# Altium PCB batteryPack.PcbDoc (part 2 of 2)
Units mm, origin at the board's own origin, x right, y up, seen from the top; angles counter-clockwise.
Board outline 117 x 50 mm, 4 copper layers (Top Layer, Mid-Layer 1, Mid-Layer 2, Bottom Layer); 146 components, 107 nets, 522 pads, 401 vias.
Unrouted connection lines stored in the file: 2.
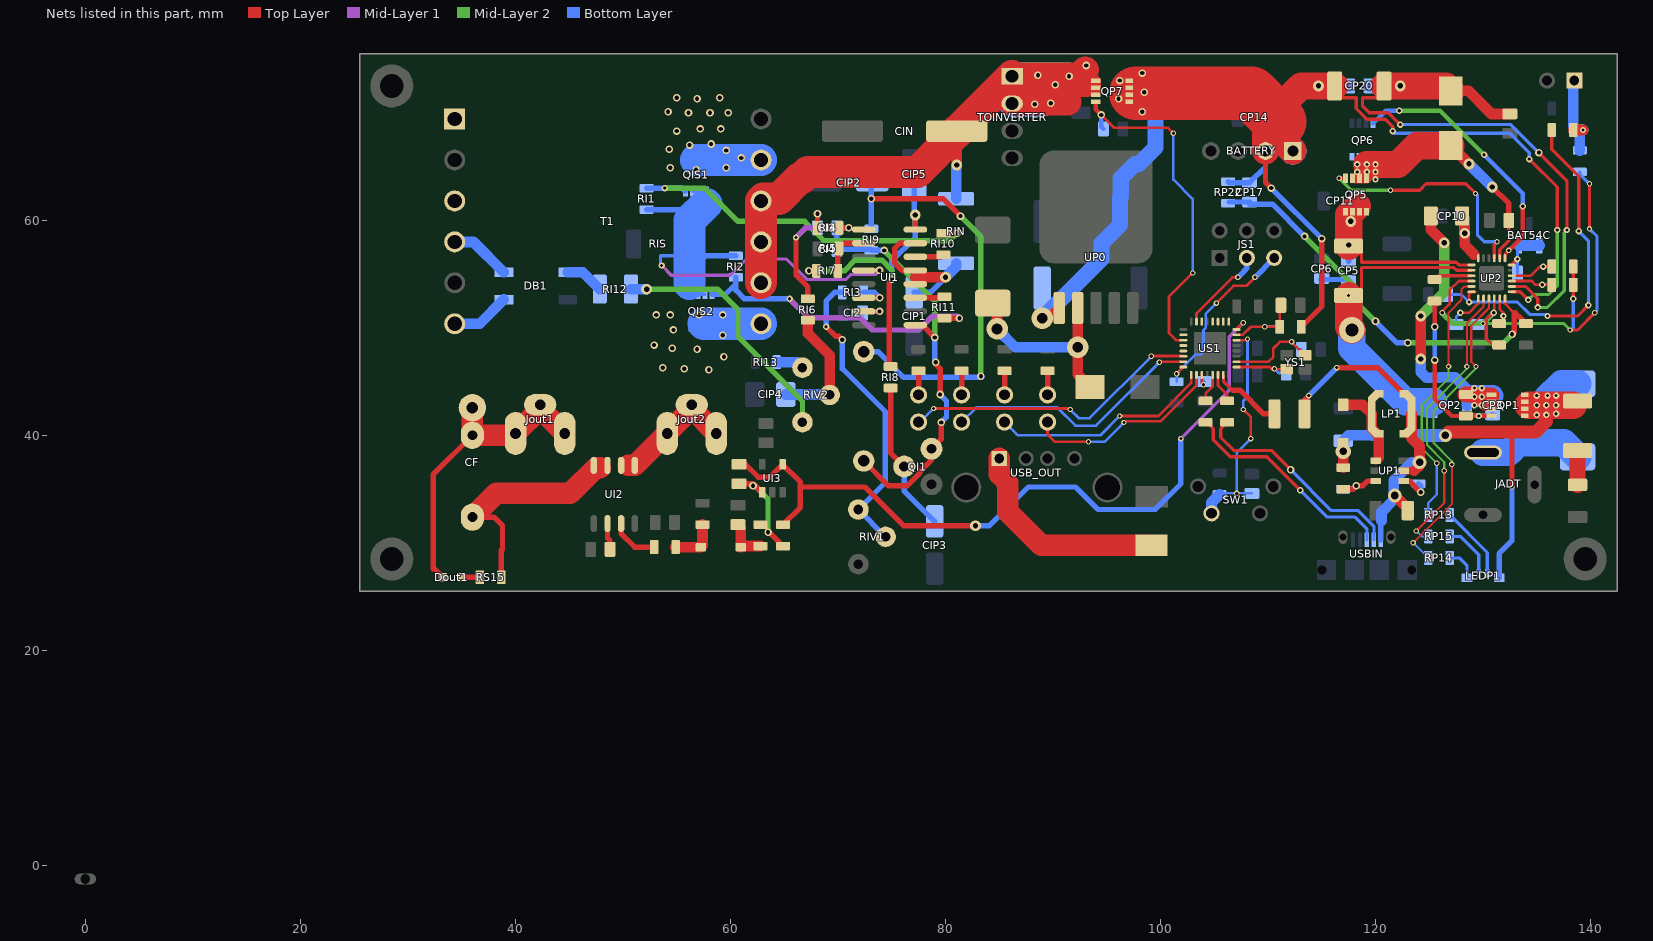
[diagram p4: the nets of this part, all layers, seen from the top]

## Via types
v1: diameter 0.6, hole 0.3, Top Layer to Bottom Layer, 119 vias
v2: diameter 0.7, hole 0.4, Top Layer to Bottom Layer, 115 vias
v3: diameter 0.5, hole 0.3, Top Layer to Bottom Layer, 58 vias
v4: diameter 0.8, hole 0.8, Top Layer to Bottom Layer, 47 vias
v5: diameter 1, hole 0.5, Top Layer to Bottom Layer, 30 vias
v6: diameter 0.4, hole 0.3, Top Layer to Bottom Layer, tented both sides, 9 vias
v7: diameter 2, hole 1, Top Layer to Bottom Layer, 5 vias
v8: diameter 1.27, hole 0.711, Top Layer to Bottom Layer, 5 vias
v9: diameter 1.5, hole 0.7, Top Layer to Bottom Layer, 4 vias
v10: diameter 0.4, hole 0.3, Top Layer to Bottom Layer, 4 vias
v11: diameter 3, hole 2, Top Layer to Bottom Layer, 1 vias
v12: diameter 2.5, hole 1.5, Top Layer to Bottom Layer, 1 vias
v13: diameter 2.4, hole 1.2, Top Layer to Bottom Layer, 1 vias
v14: diameter 1.2, hole 0.7, Top Layer to Bottom Layer, 1 vias
v15: diameter 1.4, hole 0.7, Top Layer to Bottom Layer, 1 vias

## Nets (pads, with @x,y where several pads share a name; then routed paths per layer and width w, separated by ;. In a path a pad name is that pad's centre, name@x,y a point inside that pad or via, vN(x,y) a via of type N, cw(c..) or ccw(c..) an arc to the next point about the centre after c; other vN are vias at no path point) (continued)
NetBAT54C_2: BAT54C.2 BAT54C.3 CP13.2 UP2.18 | length 5.3
  Top Layer w0.3: UP2.18@132.675,55.85 133.2,56.375 v1(133.2,56.4)
  Bottom Layer w0.3: CP13.2@133.2,55.1 v1(133.2,56.4) 133.2,57.5 BAT54C.2@133.35,57.65
  Bottom Layer w1: BAT54C.2@133.35,57.65 134,57.65 BAT54C.3@135.25,57.65
NetCF_1: CF.1 RS15.1 T1.1 UI2.3 UI2.4 | length 21.8
  Top Layer w0.5: CF.1@36,32.39 38.01,32.39 38.8,31.6 38.8,29.4 38.7,29.3 RS15.1@38.7,26.8
  Top Layer w2: CF.1@36,32.39 38.21,34.6 45.1,34.6 47.5,37 47.9,37
NetCF_2: CF.2 Dout1.2 Jout1.1 T1.3 | length 28.3
  Top Layer w0.5: Dout1.2@33.25,26.8 32.45,27.6 32.35,27.6 32.35,36.36 CF.2@36,40.01
  Top Layer w2: CF.2@36,42.575 CF.2@36,40.01 39.845,40.01 Jout1.1@40.014,40.179 42.3,42.465 Jout1.1@44.586,40.179
NetCI2_1: CI2.1 UI1.7 | length 3.1
  Top Layer w0.5: UI1.7@72.4,51.525 v2(73.875,51.525)
  Bottom Layer w0.5: CI2.1@72.3,51.4 72.425,51.525 v2(73.875,51.525)
NetCI3_1: CI3.1 CI4.1 DI1.1 QI1.3 RI9.2 UI1.9 | length 39.5
  Top Layer w0.5: DI1.1@72.4,37.62 74.72,35.3 76.433,35.3 77.626,36.493 77.626,36.626 78.7,37.7 QI1.3@78.7,38.751 79.6,39.651 v2(79.6,41.2) ; UI1.9@77.2,50.255 77.845,50.255 v2(79,49.1) ; v2(79.1,46.8) 79.1,46.6 79.5,46.2 v2(79.5,43.8)
  Mid-Layer 2 w0.5: v2(74.3,57.2) 79,52.5 v2(79,49.1)
  Bottom Layer w0.5: CI3.1@69.9,59.3 CI4.1@69.9,57.3 73,57.3 RI9.2@73.1,57.2 v2(74.3,57.2) ; v2(79,49.1) 79,46.9 v2(79.1,46.8) ; v2(79.5,43.8) 80.1,43.2 80.1,41.7 v2(79.6,41.2)
NetCI3_2: CI3.2 RI4.2 | length 2.6
  Top Layer w0.5: RI4.2@68.1,59.3 v2(68.1,60.6)
  Bottom Layer w0.5: CI3.2@68.1,59.3 v2(68.1,60.6)
NetCI6_2: CI6.2 UI2.6 | length 2.5
  Top Layer w0.5: UI2.6@48.565,31.8 48.565,30.435 48.8,30.2 CI6.2@48.8,29.4
NetCI7_2: CI7.2 DI2.2 RI23.2 | length 4.1
  Top Layer w1: CI7.2@60.7,31.7 60.95,31.45 DI2.2@60.95,29.6 61.05,29.7 RI23.2@62.8,29.7
NetCI8_2: CI8.2 RI23.1 RI24.2 UI3.1 | length 9.3
  Top Layer w0.5: CI8.2@60.8,35.5 v2@62.1,35.5 ; v2@62.225,35.425 UI3.1@62.95,34.7 ; v2(63.5,31) 63.55,31.05 RI24.2@64.9,29.7
  Mid-Layer 2 w0.5: v2(62.1,35.3) 62.3,35.3 63.5,34.1 v2(63.5,31)
NetCIP1_1: CIP1.1 RIN.2 UI1.12 UI1.13 UI1.15 | length 13.7
  Top Layer w0.5: UI1.13@77.2,55.335 75.965,55.335 75.3,56 75.3,57.4 75.775,57.875 UI1.15@77.2,57.875
  Top Layer w1: 77.2,54.7 v5(80,54.7)
  Bottom Layer w0.5: CIP1.1@77.1,53.3 78.6,53.3 v5(80,54.7)
  Bottom Layer w1: v5(80,54.7) 81,55.7 RIN.2@81,56
NetCIP2_1: CIP2.1 DI1.2 RI9.1 | length 41.1
  Top Layer w0.5: v2(73.1,62) 79.8,62 v2(81.4,60.4)
  Mid-Layer 2 w0.5: v2(81.4,60.4) 83.3,58.5 v2(83.3,45.5)
  Bottom Layer w0.5: DI1.2@72.4,47.78 73.72,47.78 76.1,45.4 83.4,45.4 v2(83.3,45.5) ; RI9.1@73.1,59.2 v2(73.1,62) 73.1,63.4 CIP2.1@73.2,63.5
NetCIP3_1: CIP3.1 QI1.2 RI8.1 | length 14.1
  Top Layer w0.5: RI8.1@74.9,44.4 74.9,38.36 QI1.2@76.16,37.1
  Bottom Layer w0.5: QI1.2@76.16,37.1 76.16,34.84 CIP3.1@79,32
NetCIP4_1: CIP4.1 RI6.2 RIV2.2 | length 11.9
  Top Layer w1: RI6.2@67.2,50.7 67.2,49.5 69.24,47.46 RIV2.2@69.24,43.76
  Bottom Layer w1: CIP4.1@65.15,43.8 69.2,43.8 RIV2.2@69.24,43.76
NetCP2_1: CP2.1 DP1.2 DP2.1 RP2.2 | length 5.5
  Top Layer w1: RP2.2@117,37 v15@117,38.1
  Bottom Layer w1: v15(117,38.5) CP2.1@117,39.5 117.5,40 DP2.1@120.15,40
NetCP3_1: CP3.1 QP1.1 QP1.2 QP1.3 QP2.1 QP2.2 QP2.3 RP4.2 RP5.2 | length 33.3
  Top Layer w1: v5(124.2,47.1) v5(124.2,51.1) ; RP5.2@125.15,60.4 125.15,59.15 v5(126.4,57.9) ; RP4.2@129.025,43.775 129,43.8 129.15,43.8 129.25,43.7 130.025,42.925 130.2,42.75 130.3,42.75 ; 130.783,42.75 QP1.2@130.783,43.125 QP1.1@130.783,43.717
  Top Layer w1.5: RP4.2@128.4,43.8 RP4.2@129,43.8 ; RP4.2@129.025,43.775 129.1,43.7 129.25,43.7 130.766,43.7 QP1.1@130.783,43.717
  Mid-Layer 2 w1: v5(124.2,51.1) 126.4,53.3 v5(126.4,57.9)
  Bottom Layer w1: v5(124.2,47.1) 124.2,45.9 124.75,45.35 125.935,45.35 125.985,45.4 127.4,45.4 129.096,43.704 v1@129.1,43.7 ; 128.517,42.75 QP2.2@128.517,43.125 ; QP2.1@128.517,43.775 QP2.2@128.517,43.125 ; QP2.1@128.592,43.7 v1@129.1,43.7 ; v1(129.2,43.6) v1@129.1,43.7 ; 129.525,43.125 QP2.2@128.517,43.125 ; CP3.1@130.9,43.7 v1@129.1,43.7
  Bottom Layer w2: v1@129,43.7 129.1,43.7 129.9,43.7 CP3.1@130.9,43.7
  other v1: 129.2,42.8 129.9,42.8 129.9,43.6 129.2,44.4 129.9,44.4
NetCP3_2: CP3.2 QP1.4 QP2.4 RP4.1 RP6.2 | length 17.5
  Top Layer w0.4: v2(125.5,47) 125.5,43.4 127.1,41.8 RP4.1@128.4,41.8 128.425,41.825 QP1.4@130.783,41.825 ; v2(125.5,50.1) RP6.2@125.5,52.5
  Bottom Layer w0.4: v2(125.5,47) v2(125.5,50.1) ; QP2.4@128.517,41.825 CP3.2@130.825,41.825
  Bottom Layer w0.5: CP3.2@130.825,41.825 CP3.2@130.9,41.9
  other v1: 129.6,41.8
NetCP4_1: CP4.1 RP0.1 | length 3.2
  Top Layer w1.5: CP4.1@138.8,35.4 RP0.1@138.8,38.6
NetCP5_1: CP5.1 CP6.2 QP2.5 QP2.6 QP2.7 QP2.8 RAC.2 UP2.2 | length 33.1
  Top Layer w0.3: v1(117.5,53) 118.1,53.6 118.6,53.6 118.7,53.7 118.7,55.6 127.293,55.6 127.543,55.35 UP2.2@128.925,55.35
  Top Layer w2.54: v1(117.5,53) 117.5,50.1 v13(117.8,49.8)
  Bottom Layer w0.5: CP6.2@114.9,54.5 117.4,54.5 CP5.1@117.5,54.4 v1(117.5,53)
  Bottom Layer w2.54: v13(117.8,49.8) 117.8,48.1 122.775,43.125 124.475,43.125 124.709,43.125 ; QP2.7@125.41,43.125 QP2.7@125.176,43.125 ; 124.709,43.125 124.942,42.891 QP2.7@125.176,43.125 ; 124.709,43.125 QP2.7@125.176,43.125
NetCP5_2: CP5.2 CP11.2 QP5.5 QP5.6 QP5.7 QP5.8 RAC.1 UP2.1 | length 20.2
  Top Layer w0.3: RAC.1@117.5,57.6 118.1,57 118.5,57 118.7,56.8 118.7,56.1 127.5,56.1 127.75,55.85 UP2.1@128.925,55.85
  Top Layer w2.54: RAC.1@117.5,57.6 117.5,60.5 118.3,61.3
  Bottom Layer w0.5: CP5.2@117.5,56.2 v5(117.5,57.7)
  Bottom Layer w1: v5(117.7,59.9) 117.7,61.3 CP11.2@118.2,61.8
NetCP8_2: CP8.2 RP18.2 UP2.6 | length 33.5
  Top Layer w0.3: v1(128.7,52.4) 128.7,53.125 UP2.6@128.925,53.35 UP2.6@129.253,53.35 ; v1(136,51.1) 138.8,51.1 v1(139.8,52.1) ; RP18.2@136.4,68.4 136.4,66.6 138.9,64.1 v1(138.9,59)
  Bottom Layer w0.3: CP8.2@126.7,53.1 127.7,53.1 128,53.1 v1(128.7,52.4) 133.2,52.4 134.35,51.25 135.95,51.25 136,51.2 v1(136,51.1) ; v1(138.9,59) 139.8,58.1 v1(139.8,52.1)
NetCP9_2: CP9.2 UP2.7 | length 3.7
  Top Layer w0.25: v1(127.9,51.4) 128.7,51.4 129.55,52.25 UP2.7@129.55,52.725
  Bottom Layer w0.25: CP9.2@127.5,50.3 127.5,51 v1(127.9,51.4)
NetCP10_2: CP10.2 RP5.1 UP2.24 | length 6.3
  Top Layer w0.3: 129.17,56.831 UP2.24@129.55,56.475
  Top Layer w1: RP5.1@128.05,60.4 128.3,60.15 128.3,57.725 129.17,56.831
  Bottom Layer w1: CP10.2@128,60.4 128.3,60.1 v5(128.3,58.8)
NetCP12_1: CP12.1 LP2.1 QP5.1 QP5.2 QP5.3 QP6.5 QP6.6 QP6.7 QP6.8 UP2.20 | length 23.5
  Top Layer w0.3: UP2.20@131.55,56.475 131.55,57.25 132.4,58.1 CP12.1@132.4,60
  Top Layer w0.5: v5(130.85,63.1) 132.4,61.55 CP12.1@132.4,60
  Top Layer w1: 118.15,63.917 QP5.2@118.525,63.917 118.7,64.092 118.7,64.9 ; QP5.2@118.7,63.917 QP5.1@119.175,63.917 ; LP2.1@127,66.95 v5(128.7,65.25)
  Top Layer w2.54: v1(119.2,65.2) v1(120,65.2) 122.1,65.2 123.85,66.95 LP2.1@127,66.95
  Bottom Layer w1: v5(128.7,65.25) v5(130.85,63.1)
  other v1: 120,63.8 118.3,64.5 119.2,64.5 120,64.5 118.3,65.2
NetCP17_2: CP17.2 RP22.2 RP23.1 UP2.12 | length 38.4
  Top Layer w0.25: UP2.12@132.05,52.725 132.05,52.25 132.9,51.4
  Top Layer w0.5: v2(132.7,49.4) 132.9,49.6 132.9,51.4 133,51.4 133.5,50.9 RP23.1@134,50.4
  Mid-Layer 2 w0.5: v2(113.4,58.5) 118.6,53.3 118.6,52 v2(120,50.6) ; v2(123,48.6) 131.9,48.6 v2(132.7,49.4)
  Bottom Layer w0.25: CP17.2@108.3,61.6 108.2,61.6 CP17.2@108.3,61.7
  Bottom Layer w0.5: RP22.2@106.4,61.7 CP17.2@108.3,61.7 ; CP17.2@108.2,61.6 108.3,61.5 110.4,61.5 v2(113.4,58.5) ; v2(120,50.6) 122,48.6 v2(123,48.6)
NetCP20_1: CP20.1 CP21.2 LP2.2 RP20.2 UP2.14 | length 58.3
  Top Layer w0.3: RP20.2@120.8,72.5 120.3,72 120.3,71.4 118.8,71.4 118.8,70.6 119.4,70 121.2,70 v1(122.3,68.9) ; UP2.14@132.675,53.85 133.95,53.85 135.1,52.7 v1(135.1,51.9) ; v2(135.2,66.3) 137.8,63.7 v1(137.8,59.1)
  Top Layer w1: LP2.2@127,72.05 128.65,72.05 130.8,69.9 CP21.2@132.5,69.9
  Top Layer w2.54: RP20.2@120.8,72.5 v5(122.3,72.5) 126.55,72.5 LP2.2@127,72.05
  Mid-Layer 2 w0.3: v1(135.1,51.9) 136,51.9 137.55,53.45 137.55,58.85 v1(137.8,59.1)
  Bottom Layer w0.3: v1(122.3,68.9) 132.6,68.9 v2(135.2,66.3)
  Bottom Layer w1: CP20.1@119.4,72.5 v5(122.3,72.5)
NetCS1_1: CS1.1 US1.27 | length 1.3
  Top Layer w0.25: US1.27@103.85,45.625 103.85,44.85 v3(104,44.7)
  Bottom Layer w0.25: CS1.1@103.85,45.25 CS1.1@104.1,45
NetCS4_1: CS4.1 US1.1 YS1.3 | length 6
  Top Layer w0.25: US1.1@107.075,46.35 110.15,46.35 110.35,46.15 YS1.3@111.75,46.15
  Bottom Layer w0.25: v3(110.6,46.2) 111,45.8 CS4.1@111.7,45.8
NetCS6_1: CS6.1 US1.2 YS1.1 | length 9.3
  Top Layer w0.25: US1.2@107.075,46.85 110.05,46.85 110.5,47.3 110.5,48.1 111.1,48.7 v3(112.2,48.7) YS1.1@113.45,47.45
  Bottom Layer w0.25: v3(112.2,48.7) 112.9,48 CS6.1@113.1,48
NetDB1_1: DB1.1 RI12.2 | length 3.6
  Bottom Layer w1: DB1.1@44.875,55.175 46.275,55.175 RI12.2@47.85,53.6
NetDB1_3: DB1.3 T1.6 | length 5.5
  Bottom Layer w1: T1.6@34.35,50.375 36.675,50.375 DB1.3@38.925,52.625
NetDB1_4: DB1.4 T1.4 | length 5.7
  Bottom Layer w1: T1.4@34.35,57.995 36.105,57.995 DB1.4@38.925,55.175
NetDI2_1: DI2.1 RI21.1 RI22.2 | length 4.5
  Top Layer w1: RI21.1@54.9,29.6 DI2.1@57.25,29.6 57.4,29.75 RI22.2@57.4,31.7
NetDout1_1: Dout1.1 RS15.2 | length 1.8
  Top Layer w0.5: Dout1.1@34.95,26.8 RS15.2@36.7,26.8
NetDP0_K: DP0.K LP1_0.1 UP0.2 | length 18.6
  Top Layer w1: DP0.K@84.4,52.3 84.8,51.9 v7(84.8,49.9) ; UP0.2@92.295,51.85 v7(92.295,48.2) 92.295,45.655 LP1_0.1@93.45,44.5
  Bottom Layer w1: v7(84.8,49.9) 86.5,48.2 v7(92.295,48.2)
NetDP1_1: DP1.1 LP1.2 UP1.1 | length 7.7
  Top Layer w0.7: UP1.1@120.024,37.652 UP1.1@120.3,37.928
  Top Layer w1: DP1.1@117,42.85 118.8,42.85 LP1.2@119.65,42 119.65,40.644 120.3,39.994 UP1.1@120.3,37.928
NetDP3_A: DP3.A JADT.1 | length 9.7
  Bottom Layer w2.54: v4(130,38.4) 132.4,38.4 133.3,39.3 137.5,39.3 DP3.A@138.8,38
  other v4: 128.9,38.4 129.1,38.4 129.3,38.4 129.4,38.4 129.6,38.4 129.8,38.4 130.2,38.4 130.3,38.4 130.5,38.4 130.7,38.4 130.9,38.4 131,38.4 131.1,38.4
NetDS1_1: DS1.1 RS5.1 | length 2.2
  Top Layer w0.5: DS1.1@89.5,43.77 RS5.1@89.5,46
NetDS2_1: DS2.1 RS6.1 | length 2.2
  Top Layer w0.5: DS2.1@85.5,43.77 RS6.1@85.5,46
NetDS3_1: DS3.1 RS7.1 | length 2.2
  Top Layer w0.5: DS3.1@81.5,43.77 RS7.1@81.5,46
NetDS4_1: DS4.1 RS8.1 | length 2.2
  Top Layer w0.5: DS4.1@77.5,43.77 RS8.1@77.5,46
NetFS1_2: FS1.2 US1.31 | length 6.6
  Top Layer w0.3: US1.31@105.85,45.625 105.85,45.05 106.7,44.2
  Top Layer w0.5: 106.7,44.2 107.4,44.2 109.6,42 FS1.2@110.6,42
NetFS2_2: FS2.2 USB_OUT.1 | length 20
  Top Layer w2: USB_OUT.1@85,37.85 85,36.4 85.8,35.6 85.8,32.9 88.925,29.775 FS2.2@99.175,29.775
NetJout2_1: Jout2.1 UI2.1 UI2.2 | length 11.4
  Top Layer w2: 50.5,37.2 UI2.1@51.105,37.2 56.4,42.495 58.686,40.209 Jout2.1@58.686,40.179
NetLEDP1_1: LEDP1.1 RP14.1 | length 3
  Bottom Layer w0.3: RP14.1@126.9,28.6 127.8,28.6 128.5,27.9 LEDP1.1@128.5,26.75
NetLEDP1_3: LEDP1.3 RP13.1 | length 6.9
  Bottom Layer w0.3: RP13.1@126.9,32.6 130.4,29.1 LEDP1.3@130.4,27.15
NetLEDP1_4: LEDP1.4 RP15.1 | length 5.2
  Bottom Layer w0.3: RP15.1@126.9,30.6 127.9,30.6 129.6,28.9 LEDP1.4@129.6,27.15
NetPTC_1: PTC.1 RP16.1 RP17.1 RP18.1 | length 8.5
  Top Layer w1: RP18.1@138.4,68.4 v1(139.3,68.4)
  Bottom Layer w1: PTC.1@138.5,73 138.4,72.9 RP17.1@138.4,70.4 138.4,68.4 v1(139.3,68.4) 139,68.1 RP16.1@139,66.5
NetQIS1_1: QIS1.1 QIS1.2 QIS1.3 QIS2.1 QIS2.2 QIS2.3 RI1.1 RI2.2 RIS.1 UI1.4 | length 47.1
  Top Layer w0.5: UI1.4@72.4,55.335 v2(73.865,55.335)
  Mid-Layer 1 w0.3: v1(53.6,55.8) 54.5,54.9 60,54.9 61.5,56.4 65.2,56.4 67.1,54.5 70.75,54.5 71.2,54.95 73.48,54.95 v2(73.865,55.335)
  Bottom Layer w0.3: v1(53.6,55.8) 53.5,55.9 53.5,56.7 RIS.1@56.1,56.7 ; 56.2,54.1 56.2,53.892 QIS2.2@56.975,53.117 QIS2.3@57.625,53.117 ; QIS1.3@56.475,62.683 QIS1.2@57.125,62.683 QIS1.1@57.775,62.683
  Bottom Layer w0.5: RI1.1@52.2,61 56.779,61 ; 57,56 57.7,56.7 RI2.2@60.5,56.7
  Bottom Layer w3: 56.2,54.1 56.2,59.979 57.75,61.529
NetQIS1_4: QIS1.4 RI1.2 RI10.2 | length 34.6
  Top Layer w0.5: RI10.2@79.8,58.8 v2(81.1,58.8)
  Mid-Layer 2 w0.5: v1(53.9,63) 57.6,63 60.7,59.9 66.9,59.9 68.7,58.1 80.4,58.1 v2(81.1,58.8)
  Bottom Layer w0.5: RI1.2@52.2,63 v1(53.9,63) 55.483,63 QIS1.4@55.8,62.683
NetQIS1_5: QIS1.5 QIS1.6 QIS1.7 QIS1.8 T1.11 | length 6.1
  Bottom Layer w3: 56.8,65.6 56.815,65.615 T1.11@62.85,65.615
  other v2: 56.8,64.7 54.4,64.9 59.6,64.9 61,65.8 59.6,66.5 54.3,66.6 56.2,67 58.2,67.1 55,68.3 57.2,68.5 59.1,68.5 56.1,70 58.1,70 59.8,70 54.2,70.1 56.9,71.3 55,71.4 59,71.4
NetQIS2_4: QIS2.4 RI2.1 RI11.2 | length 28.2
  Top Layer w0.5: RI11.2@79.9,50.9 v2(81.3,50.9)
  Mid-Layer 1 w0.5: v1(65.5,52.7) 67.25,50.95 72.05,50.95 73.2,49.8 77.5,49.8 78.8,51.1 81.1,51.1 v2(81.3,50.9)
  Bottom Layer w0.5: QIS2.4@58.3,53.117 59.517,53.117 60.5,54.1 ; RI2.1@60.5,54.7 60.5,54.1 ; v1(65.5,52.7) 61.3,52.7 60.5,53.5 60.5,54.1
NetQIS2_5: QIS2.5 QIS2.6 QIS2.7 QIS2.8 T1.7 | length 5.4
  Bottom Layer w3: 57.5,50.4 57.525,50.375 T1.7@62.85,50.375
  other v2: 58,46.1 55.7,46.2 53.7,46.3 59.4,47.3 56.9,48 54.6,48.1 52.9,48.4 59.3,49.3 54.7,49.8 53.1,51.2 54.4,51.2 57.1,51.2 59.3,51.2
NetQP5_4: QP5.4 UP2.21 | length 22
  Top Layer w0.3: v3(116.617,63.917) QP5.4@117.225,63.917 ; v3(121.4,62.8) 124.1,62.8 124.7,63.4 128.4,63.4 v3(129.3,62.5) ; UP2.21@131.05,56.475 131.05,57.75 v3(131.3,58)
  Mid-Layer 2 w0.3: v3(116.617,63.917) 117.734,62.8 v3(121.4,62.8)
  Bottom Layer w0.3: v3(129.3,62.5) 129.5,62.3 129.5,58.6 130.1,58 v3(131.3,58)
NetQP6_4: QP6.4 UP2.19 | length 24.3
  Top Layer w0.3: UP2.19@132.05,56.475 132.05,56.85 v3(132.4,57.2)
  Top Layer w0.4: v3(132.4,57.2) 133.7,58.5 v1(133.7,61.3)
  Mid-Layer 2 w0.4: v1(122.2,70.2) 126,70.2 v1(130.1,66.1)
  Bottom Layer w0.4: QP6.4@119.775,69.017 120.958,70.2 v1(122.2,70.2) ; v1(130.1,66.1) 133.7,62.5 v1(133.7,61.3)
NetRI3_1: RI3.1 RIV1.1 RIV1.2 | length 28.3
  Top Layer w0.5: v1(68.9,50.1) 69.8,49.2 70.1,49.2 v2(70.4,48.9)
  Bottom Layer w0.5: v1(68.9,50.1) 68.9,52.5 69.7,53.3 RI3.1@70.4,53.3 ; v2(70.4,48.9) 70.4,46.2 74.4,42.2 74.4,35.6 RIV1.1@71.9,33.1 RIV1.2@74.44,30.56
NetRI3_2: RI3.2 UI1.6 | length 3.2
  Top Layer w0.5: UI1.6@72.4,52.795 v2(73.895,52.795)
  Bottom Layer w0.5: RI3.2@72.4,53.3 73.39,53.3 v2(73.895,52.795)
NetRI4_1: RI4.1 RI6.1 UI1.1 | length 12.3
  Top Layer w0.5: v1(66.1,58.4) 66.1,54.9 67.2,53.8 RI6.1@67.2,52.7 ; RI4.1@70.1,59.3 70.8,59.3 v2(71,59.3)
  Mid-Layer 1 w0.5: v1(66.1,58.4) 67,59.3 v2(71,59.3)
NetRI5_1: RI5.1 RI7.2 UI1.2 | length 4.6
  Top Layer w0.5: RI7.2@70,55.3 70,57.3 RI5.1@70.1,57.4 70.575,57.875 UI1.2@72.4,57.875
NetRI10_1: RI10.1 UI1.14 | length 2.7
  Top Layer w0.5: UI1.14@77.2,56.605 79.605,56.605 RI10.1@79.8,56.8
NetRI11_1: RI11.1 UI1.11 | length 2.7
  Top Layer w0.5: UI1.11@77.2,52.795 79.795,52.795 RI11.1@79.9,52.9
NetRI12_1: RI12.1 RIV2.3 | length 23.7
  Mid-Layer 2 w0.5: v5(52.2,53.6) 58.8,53.6 60.7,51.7 60.7,49.2 66.7,43.2 RIV2.3@66.7,41.22
  Bottom Layer w1: RI12.1@50.75,53.6 v5(52.2,53.6)
NetRI13_1: RI13.1 RIV2.1 | length 2.6
  Bottom Layer w1: RI13.1@64.3,46.8 66.2,46.8 RIV2.1@66.7,46.3
NetRI21_2: RI21.2 UI2.7 | length 4.5
  Top Layer w0.5: UI2.7@49.835,31.8 49.835,30.865 51.1,29.6 RI21.2@52.9,29.6
NetRP1_1: RP1.1 UP1.4 | length 2.9
  Top Layer w0.5: UP1.4@122.624,35.752 123.148,35.752 v2(124.2,34.7)
  Bottom Layer w0.5: RP1.1@124,35.5 124.2,35.3 v2(124.2,34.7)
NetRP2_1: RP2.1 RP3.2 UP1.3 | length 4.7
  Top Layer w0.5: RP2.1@117,35 117.9,35 v2(118.2,35.3) 118.8,35.3 119.252,35.752 UP1.3@120.024,35.752
  Bottom Layer w0.5: RP3.2@117,35 117.9,35 v2(118.2,35.3)
NetRP6_1: RP6.1 UP2.3 | length 3.6
  Top Layer w0.3: RP6.1@125.5,54.5 125.85,54.85 127.85,54.85 UP2.3@128.925,54.85
NetRP7_2: RP7.2 RP10.1 UP2.16 | length 4.9
  Top Layer w0.25: UP2.16@132.675,54.85 134.45,54.85 135.3,55.7 RP7.2@136.4,55.7
  Bottom Layer w0.25: v1(135.6,55.7) RP10.1@136.4,55.7
NetRP8_2: RP8.2 RP11.1 UP2.15 | length 4.8
  Top Layer w0.25: UP2.15@132.675,54.35 134.55,54.35 134.9,54 RP8.2@136.4,54
  Bottom Layer w0.25: v1(135.5,54) RP11.1@136.4,54
NetRP9_2: RP9.2 RP12.1 UP2.11 | length 3.5
  Top Layer w0.25: RP9.2@131.5,50.4 131.9,50.8 131.9,51.4 131.55,51.75 UP2.11@131.55,52.725
  Bottom Layer w0.25: RP12.1@131.5,50.4 131.9,50.8 v1(131.9,51.1)
NetRP13_2: RP13.2 UP2.5 | length 24.5
  Top Layer w0.2: v3(126.8,46.4) 126.8,51.4 128,52.6 128,53.6 128.25,53.85 UP2.5@128.925,53.85
  Mid-Layer 2 w0.2: v3(125.7,37.4) 124.3,38.8 124.3,42.8 126.8,45.3 v3(126.8,46.4)
  Bottom Layer w0.2: RP13.2@124.9,32.6 124.9,33.7 125.7,34.5 v3(125.7,37.4)
NetRP14_2: RP14.2 UP2.9 | length 29.4
  Top Layer w0.2: v3(123.5,30) 127.1,33.6 v3(127.1,37.3) ; v3(129.351,46.4) 128.9,46.851 128.9,50.2 130.55,51.85 UP2.9@130.55,52.725
  Mid-Layer 2 w0.2: v3(127.1,37.3) 127.1,37.6 125.4,39.3 125.4,42.3 129.351,46.251 v3(129.351,46.4)
  Bottom Layer w0.2: v3(123.5,30) RP14.2@124.9,28.6
NetRP15_2: RP15.2 UP2.8 | length 26.8
  Top Layer w0.2: v3(123.8,31.1) 126.4,33.7 v3(126.4,36.7) ; v3(128.5,46.4) 128.5,50.4 130.05,51.95 UP2.8@130.05,52.725
  Mid-Layer 2 w0.2: v3(126.4,36.7) 126.4,37.5 124.8,39.1 124.8,42.5 128.5,46.2 v3(128.5,46.4)
  Bottom Layer w0.2: v3(123.8,31.1) 124.3,30.6 RP15.2@124.9,30.6
NetRS1_2: RS1.2 US1.29 | length 2.7
  Top Layer w0.25: RS1.2@104.2,43.2 104.2,43.9 104.85,44.55 US1.29@104.85,45.625
NetRS2_2: RS2.2 US1.30 | length 2.8
  Top Layer w0.25: US1.30@105.35,45.625 105.35,44.65 106.2,43.8 RS2.2@106.2,43.2
PB0: US1.14
PB4: US1.18
PB5: CP16.1 QP7.4 US1.19 | length 32.2
  Top Layer w0.25: v2(94.5,69.8) 95.2,69.1 ; 95.1,69.2 95.7,68.6 100.7,68.6 v3(101.2,68.1) ; US1.19@102.125,48.85 101.45,48.85 100.8,49.5 100.8,52.9 v3(103,55.1)
  Top Layer w0.4: QP7.4@93.983,71.025 93.983,70.317 v2(94.5,69.8)
  Bottom Layer w0.25: v3(101.2,68.1) 101.2,63.8 103,62 v3(103,55.1)
  Bottom Layer w0.4: v2(94.5,69.8) 94.5,68.7 CP16.1@94.7,68.5
PB6: US1.20
PB7: US1.21
PC4: DS1.2 US1.26 | length 18.4
  Top Layer w0.25: DS1.2@89.5,41.23 89.5,40.1 90.2,39.4 v3(93.3,39.4) ; v3(96.6,41.2) 96.7,41.3 100,41.3 103.35,44.65 US1.26@103.35,45.625
  Bottom Layer w0.25: v3(93.3,39.4) 94.8,39.4 v3(96.6,41.2)
PC5: DS2.2 US1.25 | length 20.6
  Top Layer w0.25: v3(96.2,41.8) 99.8,41.8 102.85,44.85 US1.25@102.85,45.625
  Bottom Layer w0.25: DS2.2@85.5,41.23 86.615,40.115 86.73,40 94.4,40 v3(96.2,41.8)
PC6: DS3.2 US1.23 | length 24.4
  Top Layer w0.25: v3(99.9,46.8) 99.95,46.85 US1.23@102.125,46.85
  Bottom Layer w0.25: DS3.2@81.5,41.23 82.87,42.6 90.4,42.6 92.1,40.9 94,40.9 v3(99.9,46.8)
PC7: DS4.2 US1.22 | length 27.9
  Top Layer w0.25: v3(78.9,42.5) 91.5,42.5 v3(91.6,42.4) ; v3(99.15,47.35) 99.175,47.375 102.1,47.375 US1.22@102.125,47.35
  Bottom Layer w0.25: DS4.2@77.5,41.23 77.63,41.23 v3(78.9,42.5) ; v3(91.6,42.4) 92.4,41.6 93.4,41.6 v3(99.15,47.35)
PD0: CS8.1 RS11.2 SW1.2 US1.6 | length 21.5
  Top Layer w0.25: US1.6@107.075,48.85 107.987,48.85 v3(108.1,48.963) ; v3(107.7,42.4) 108.4,41.7 v3(108.4,39.7)
  Bottom Layer w0.25: RS11.2@105.5,34.5 105.6,34.6 v3(107.1,34.6) ; v3(107.7,42.4) 107.7,43.2 108.1,43.6 v3(108.1,48.963) ; v3(108.4,39.7) 107.1,38.4 v3(107.1,34.6) ; CS8.1@108.5,34.6 v3(107.1,34.6)
  Bottom Layer w1: SW1.2@104.75,32.75 104.75,33.75 RS11.2@105.5,34.5
PD1: CS7.1 RS9.1 RS10.2 US1.7 | length 7.8
  Top Layer w0.25: US1.7@107.075,49.35 107.65,49.35 108.4,50.1 v3(109.7,50.1) RS9.1@111.1,50.1 111.1,52 CS7.1@111.2,52.1
  Bottom Layer w0.25: v3(109.7,50.1) RS10.2@111.1,50.1
PD4: US1.10
PD5: US1.11
PD6: US1.12
RST: JS1.5 RS4.1 US1.24 | length 17.1
  Top Layer w0.25: v3(101.5,45.725) US1.24@102.125,46.35 ; v3(105.2,52.3) 106.8,53.9 107.98,53.9 v3(108.78,54.7)
  Bottom Layer w0.25: RS4.1@101.5,45 v3(101.5,45.725) 101.5,45.742 103.258,47.5 103.7,47.5 104,47.8 104,49.8 104.2,50 104.2,51.3 v3(105.2,52.3)
  Bottom Layer w0.5: v3(108.78,54.7) JS1.5@110.58,56.5
RX: CI8.1 RI24.1 UI3.4 US1.8 | length 70.5
  Top Layer w0.3: US1.8@107.075,49.85 v3(107.7,50.475)
  Top Layer w0.5: CI8.1@60.8,37.3 61.4,37.3 62.6,36.1 63.65,36.1 UI3.4@64.85,37.3 66.5,35.65 66.5,35.2 ; RI24.1@64.9,31.7 66.5,33.3 66.5,35.2 ; v5(82.8,31.6) 76.1,31.6 72.5,35.2 66.5,35.2
  Mid-Layer 1 w0.3: v3(101.9,39.7) 106.4,44.2 106.4,49.175 v3(107.7,50.475)
  Bottom Layer w0.5: v5(82.8,31.6) 84.1,31.6 87.7,35.2 92.1,35.2 94.2,33.1 99.5,33.1 101.9,35.5 v3(101.9,39.7)
SCK: JS1.3 US1.15 | length 8.2
  Top Layer w0.25: US1.15@103.35,50.575 103.35,51.35 106.7,54.7 v3(107.2,54.7)
  Bottom Layer w0.5: v3(107.2,54.7) 107.8,55.3 108.04,55.54 JS1.3@108.04,56.5
TX: US1.9
UD_N: RS2.1 USBIN.2 | length 20.9
  Top Layer w0.3: RS2.1@106.2,41.2 105.6,40.6 105.6,39.8 106.8,38.6 110.3,38.6 v2(112.1,36.8)
  Bottom Layer w0.3: v2(112.1,36.8) 115.9,33 118.4,33 ; 118.65,32.75 118.4,33 ; USBIN.2@119.85,30.278 119.85,31.548 119.7,31.698 119.7,31.7 118.4,33
UD_P: RS1.1 USBIN.3 | length 20.7
  Top Layer w0.3: RS1.1@104.2,41.2 104.3,41.2 104.9,40.6 104.9,39.6 106.5,38 109.9,38 v1(113,34.9)
  Bottom Layer w0.3: v1(113,34.9) 115.5,32.4 118.1,32.4 119.2,31.3 USBIN.3@119.2,30.278
VBAT: BATTERY.1 BATTERY.2 CP1_0.1 CP14.1 CP17.1 CP20.2 QP7.5 QP7.6 QP7.7 QP7.8 RP20.1 RP22.1 RS9.2 UP0.1 UP2.13 | length 130.6
  Top Layer w0.3: RP20.1@116.2,72.5 116.6,72.1 116.6,71.5 116.7,71.4 118.2,71.4 118.2,70.4 119.2,69.4 120.9,69.4 121.6,68.7 v1(121.6,68.3) ; UP2.13@132.675,53.35 133.45,53.35 v1(134.2,52.6) ; v1(134.3,65.7) 136.9,63.1 v1(136.9,59.1)
  Top Layer w0.5: BATTERY.2@109.77,66.45 109.77,63.53 v2(110.3,63) ; RS9.2@113.1,50.1 115,52 v2(115,58.3)
  Top Layer w1: v7@89.64,50.9 UP0.1@90.59,51.85
  Top Layer w2.54: 106.935,71.825 109.77,68.99 BATTERY.2@109.77,66.45 ; 110.345,68.415 BATTERY.1@112.31,66.45 ; 111.1,69.17 111.1,70.5 113.1,72.5 v5(114.7,72.5) RP20.1@116.2,72.5
  Top Layer w5: 97.725,71.825 106.935,71.825 108.445,71.825 110.435,69.835 111.1,69.17
  Mid-Layer 2 w0.3: v1(134.2,52.6) 134.7,53.1 136.1,53.1 136.9,53.9 v1(136.9,59.1)
  Bottom Layer w0.3: v1(121.6,68.3) 121.8,68.1 132.5,68.1 134.3,66.3 v1(134.3,65.7)
  Bottom Layer w0.5: v2(98.3,70.1) 98.8,70.1 99.5,70.8 99.55,70.75 ; RP22.1@106.3,63.6 106.4,63.5 CP17.1@108.3,63.5 109.77,64.97 BATTERY.2@109.77,66.45 ; v2(110.3,63) v2(115,58.3)
  Bottom Layer w1: v5(114.7,72.5) CP20.2@117.6,72.5
  Bottom Layer w1.5: v7(89,50.9) 94.5,56.4 94.5,57.838 96.25,59.588 96.25,62.176 96.3,62.226 96.3,63.904 97.646,65.25 98.018,65.25 99.55,66.782 99.55,70.75
  Bottom Layer w2.54: CP14.1@110.2,69.6 110.2,68.56 BATTERY.1@112.31,66.45
  other v2: 96.1,71.3 98.5,71.9 96.2,73 98.3,73.7
VIN: DP2.2 DP3.K LEDP1.2 QP1.5 QP1.6 QP1.7 QP1.8 RP0.2 | length 36.6
  Top Layer w0.5: v3(132.7,35.2) 132.7,40.2 132.8,40.3
  Top Layer w1.2: v14(126.5,40) 126.8,40.3 132.8,40.3 134.9,40.3 135.9,41.3 v1(135.9,41.9) v1(135.9,42.8)
  Top Layer w2.54: 134.215,42.8 v1(135,42.8) v1(135.9,42.8) v1(136.8,42.8) RP0.2@138.4,42.8
  Bottom Layer w0.5: LEDP1.2@131.5,26.75 131.5,29 132.7,30.2 v3(132.7,35.2)
  Bottom Layer w1.2: DP2.2@123.85,40 v14(126.5,40)
  Bottom Layer w2.54: v1@135.9,42.6 v1(135.9,42.8) 135.9,43.4 137.3,44.8 DP3.K@138.8,44.8
  other v1: 135,41.9 136.8,42 135,43.7 136,43.7 136.8,43.7
VREF: CP7.2 RP7.1 RP8.1 RP9.1 RP16.2 UP2.4 UP2.10 | length 49.3
  Top Layer w0.25: v3(126.2,51.4) 126.2,51.5 126.9,52.2 126.9,53.5 127.75,54.35 128.3,54.35 ; 128.15,54.35 128.3,54.35 ; UP2.4@128.925,54.35 128.3,54.35 ; v1@130.95,51.45 131.05,51.45 UP2.10@131.05,52.725
  Top Layer w0.3: v1@130.95,51.45 130.3,50.8 130.3,49 130.9,48.4 RP9.1@131.5,48.4 ; v3(138.1,49.8) 138.8,49.8 v3(140.4,51.4) ; v1(138.4,52.7) RP8.1@138.4,54 RP7.1@138.4,55.7 ; v3(139.9,59.2) v3(139.9,63.4)
  Mid-Layer 2 w0.3: v3(130,50.4) 137.5,50.4 v3(138.1,49.8)
  Mid-Layer 2 w0.5: v3(126.2,51.4) 127.2,50.4 v3(130,50.4) v1(131,51.4)
  Bottom Layer w0.25: CP7.2@129.5,50.3 129.8,50.3 130.9,51.4 v1(131,51.4)
  Bottom Layer w0.3: v3(138.1,49.8) 138.3,49.8 138.4,49.9 v1(138.4,52.7) ; RP16.2@139,64.5 139,64.3 v3(139.9,63.4) ; v3(139.9,59.2) 140.6,58.5 140.6,51.6 v3(140.4,51.4)
VREF2: CIP5.1 RI7.1 RI8.2 UI1.16 | length 29
  Top Layer w0.5: v2(67.3,55.3) RI7.1@68,55.3 ; RI8.2@74.9,46.4 74.775,46.525 74.775,54.275 v2(75,54.5) ; UI1.16@77.2,59.145 v5(77.2,60.5)
  Mid-Layer 2 w0.5: v2(67.3,55.3) 70.6,55.3 71.6,56.3 74.1,56.3 75,55.4 v2(75,54.5)
  Bottom Layer w0.5: v2(75,54.5) 75,56.2 77.2,58.4 v5(77.2,60.5) 77.1,60.6 CIP5.1@77.1,62.85
VSYS: CIN.1 CP18.1 QP7.1 QP7.2 QP7.3 RIN.1 T1.8 T1.9 T1.10 TOINVERTER.1 TOINVERTER.2 | length 68.3
  Top Layer w1: v5(81.05,65.15) CIN.1@81.05,68.151 ; 93.658,72.65 QP7.2@93.983,72.325 ; 93.983,71.95 QP7.2@93.983,72.325 ; QP7.1@93.983,72.975 QP7.2@93.983,72.325
  Top Layer w2.54: TOINVERTER.2@86.2,71 91.4,71 ; TOINVERTER.1@86.3,73.4 v2(91.5,73.4) 92.42,73.4 93,73.98 ; 92.063,72.72 93.1,72.72
  Top Layer w3: T1.8@62.85,54.185 T1.9@62.85,57.995 T1.10@62.85,61.805 63.045,62 64.5,62 66.4,63.9 66.6,63.9 67.2,64.5 77.399,64.5 81.05,68.151 CIN.1@81.05,68.3 81.1,68.3 TOINVERTER.1@86.2,73.4
  Bottom Layer w1: RIN.1@81,62 81,65.1 v5(81.05,65.15)
  Bottom Layer w2.54: TOINVERTER.2@86.2,70.86 88.96,70.86 v2(91.5,73.4) TOINVERTER.1@86.2,73.4
  other v2: 88.3,70.8 89.8,70.9 90.2,72.6 88.6,73.5 93.1,74.4
VUSB: CP1.1 FS1.1 LP1.1 RP1.2 UP1.5 USBIN.1 | length 30.6
  Top Layer w0.5: FS1.1@113.4,42 113.4,43.3 v3(113.8,43.7) ; v3(116.4,46.3) 120.206,46.3 LP1.1@122.656,43.85
  Top Layer w0.7: UP1.5@122.624,36.702 123.602,36.702
  Top Layer w1: v8(121.8,34.4) 123,33.2 CP1.1@123,33 ; LP1.1@123.35,42 123.35,39.75 124.1,39 v8(124.1,37.5) 124.1,37.2 123.602,36.702
  Bottom Layer w0.5: v3(113.8,43.7) v3(116.4,46.3) ; USBIN.1@120.5,30.278 120.5,32
  Bottom Layer w1: 120.55,32.05 120.55,32.85 121.7,34 121.7,35.8 123.4,37.5 v8(124.1,37.5)
pads on no net: CI2.0 CI3.0 CI4.0 CIN.0 CIP1.0 CIP2.0 CIP3.0 CIP4.0 CIP5.0 CP3.0 CP5.0 CP6.0 CP10.0 CP11.0 CP14.0 CP17.0 CP20.0 Dout1.0 RI1.0 RI2.0 RI3.0 RI4.0 RI5.0 RI6.0 RI7.0 RI8.0 RI9.0 RI10.0 RI11.0 RI12.0 RI13.0 RIN.0 RIS.0 RP13.0 RP14.0 RP15.0 RP22.0 RP25.0 RS15.0 T1.2 T1.5 T1.12 UI1.0 UI1.3 UI2.0 UP1.6 UP2.23 US1.5 USB_OUT.2 USB_OUT.3 USBIN.4 USBIN.Z4 USBIN.Z5 YS1.2 YS1.4

## Polygon pours and split planes (outlines as drawn)
AGND on Top Layer "Mid-Layer 2-No Net" (solid, remove dead copper, pour order 1000): 78.4,35.396 79.882,35.396 83.482,38.516 83.694,38.7 97.565,38.7 138.118,38.7 140.765,36.405 141.4,35.854 141.4,29.704 141.4,28.97 139.071,26.951 138.435,26.4 80.729,26.4 80.094,26.4 78.4,27.869
AGND on Top Layer "a" (solid, remove dead copper, pour order 1012): 89.2,75.2 89.2,66.9 84.8,62.5 83.5,61.2 83.5,32.9 83.5,30.2 79.2,25.9 72.6,25.9 70.4,28.1 70.2,28.3 70.2,47.5 70.2,48.7 66.7,52.2 66.7,75.4 89.1,75.4 89.3,75.2
GND on Top Layer "a" (solid, remove dead copper, pour order 1014): 93.8,75 80.1,61.3 80.1,26.1 142.5,26.1 142.2,26.4 142.2,75.4
AGND on Mid-Layer 2 "Mid-Layer 2-No Net" (solid, remove dead copper, pour order 1003): 116.3,45.9 116.3,44.8 114,42.5 114,30 114,29.8 115.9,27.9 116.3,27.5 127.1,27.5 133.4,27.5 137.9,32 138.9,33 138.9,36.3 138.9,36.8 137.7,38 137.2,38.5 132,38.5 131.4,38.5 128.3,35.4 128.2,35.3 123.6,35.3 123.6,35.4 120.9,38.1 120.8,38.2 120.8,45.1 120.8,45.4 120.7,45.5 114.1,45.5 114,45.4 114,42.5
AGND on Mid-Layer 2 "Mid-Layer 2-No Net" (solid, remove dead copper, pour order 1002): 84.4,74.6 84.8,64.1 87.2,63.599 88.637,65.1 102.829,65.1 103.125,65.1 106.476,61.7 106.968,61.2 112.192,61.2 112.783,61.2 117.81,56.1 117.908,56 125.3,56 125.3,63.4 114.262,74.6
AGND on Mid-Layer 2 "a" (solid, remove dead copper, pour order 1010): 66.6,75.5 66.6,55.5 70.1,52 70.1,47.1 70.1,27.3 71.4,26 84.3,26 86.3,28 86.3,34.2 82.5,38 82.4,38.1 82.4,52.1 82.4,59.6 90.5,67.7 95.8,67.7 97.5,66 98.6,64.9 108.5,64.9 108.8,65.2 108.8,68.9 108.8,71 104.2,75.6 104.1,75.5 66.6,75.5
GND on Mid-Layer 2 "a" (solid, remove dead copper, pour order 1016): 76.9,74.8 76.9,25.9 76.7,25.7 76.9,25.5 142.3,25.5 142.3,75.2 142.5,75.4
AGND on Mid-Layer 2 "a" (solid, remove dead copper, pour order 1022): 46.2,63.1 46.2,49 50.5,44.7 60,44.7 70.2,34.5 70.2,27.3 75.2,27.3 78.5,30.6 78.8,30.9 78.8,69.7 73.5,75 65.1,75 54.1,75 46.2,66.7 46.2,63
GND on Bottom Layer "Mid-Layer 2-No Net" (solid, remove dead copper, pour order 1006): 76,75.4 76,25.5 142.5,25.5 142.5,75.5
AGND on Bottom Layer "Mid-Layer 2-No Net" (solid, remove dead copper, pour order 1005): 119.6,60.8 119.6,60.4 118.9,59.7 118.9,56.8 118.9,56.7 119.9,55.7 120,55.6 126.3,55.6 127,55.6 130,52.6 130.1,52.5 132.5,52.5 132.6,52.5 133.3,53.2 133.4,53.3 133.4,55.1 133.4,55.2 131.7,56.9 130.6,58 128.2,58 127.8,58 126.3,59.5 125,60.8 119.5,60.8
GND on Bottom Layer "a" (solid, remove dead copper, pour order 1020): 66.8,32.8 73.5,26.1 81.9,26.1 85.8,30 85.8,35.2 81,40 64.8,40 64.3,39.5 64.3,34.7 65.9,33.1 66.2,32.8 66.8,32.8
AGND on Mid-Layer 1 "Mid-Layer 2-No Net" (solid, remove dead copper, pour order 1007): 118.36,62 117.492,61.172 117.492,58.377 117.492,57.859 118.577,56.824 118.685,56.721 126.279,56.721 126.713,56.721 134.957,48.853 135.283,48.543 135.283,42.124 135.283,39.64 133.764,38.191 132.245,36.741 127.581,36.741 127.581,36.12 124.652,33.325 118.902,33.325 112.176,33.325 111.2,32.394 111.2,30.013 111.2,29.806 112.719,28.356 112.827,28.253 120.855,28.253 127.038,28.253 128.123,27.218 128.665,26.7 138.103,26.7 138.863,26.7 141.792,29.495 141.9,29.599 141.9,46.472 141.9,47.611 126.821,62
GND on Mid-Layer 1 "a" (solid, remove dead copper, pour order 1018): 64.3,39.8 64.3,32.5 70.2,26.6 70.7,26.1 82.8,26.1 83.2,26.1 88,30.9 78.6,40.3 65,40.3 64.8,40.3 64.3,39.8
AGND on Mid-Layer 1 "a" (solid, remove dead copper, pour order 1024): 46.4,49.2 50.1,45.5 60.2,45.5 60.3,45.5 66.3,39.5 78.8,39.5 82.5,43.2 83.5,44.2 83.5,62.6 84.9,64 85,64 86.6,64 87.7,65.1 90.3,67.7 95.3,67.7 100.7,67.7 103.8,64.6 108,64.6 108.9,65.5 108.9,71.5 105.4,75 104.6,75 54.4,75 46.4,66.4
GND on Mid-Layer 1 "a" (solid, remove dead copper, pour order 1026): 76,26 76,55.9 89.7,69.6 90.3,69 104.2,69 107.5,69 113,74.5 140.9,74.5 142.2,73.2 142.4,73 142.4,25.6 76.4,25.6 76,26

## Keep-outs
Keep-Out Layer:
  lines w0.1: 25.5,25.5 25.5,75.5 66.6,75.5 142.5,75.5 142.5,25.5 25.6,25.5 25.5,25.5

## Other copper
Top Layer:
  rectangle net NetCP3_1: 127.8,42.6 131.3,44.8
  rectangle net VBAT: 111.1,65.6 113.2,70.8
  rectangle net VBAT: 109,65.4 112.5,69.8
  rectangle net NetCP12_1: 117.7,63.5 120.4,65.6
  rectangle net NetCF_2: 39,38.2 45.4,43.8
  rectangle net NetJout2_1: 52.3,37.9 59.2,43.7
  rectangle net NetQIS1_5: 53.3,64 60.3,72.1
  region net NetQIS1_5: 63.5,67.1 64.3,66.3 64.3,65.1 63.4,64.2 60.5,64.2 60.3,64 53.3,64 53,64.3 53,71.8 53.3,72.1 60.3,72.1 60.6,71.8 60.6,67.4 60.8,67.1
  region net NetQIS2_5: 51.9,51.3 51.9,47.4 53.5,45.8 58.7,45.8 61.5,48.6 63.8,48.6 64.4,49.2 64.4,51.2 63.5,52.1 52.7,52.1
Bottom Layer:
  rectangle net NetCP12_1: 118,63.4 118.8,65.4
  rectangle net NetCP12_1: 118.3,63.5 120.4,66.5
  rectangle net GND: 119.6,52.1 125,55.6
  rectangle net AGND: 119.5,56.5 125,60.1
  rectangle net NetDP3_A: 127.8,37 132.6,39.7
  rectangle net NetQIS1_5: 53.3,64 60.3,72.1
  region net NetQIS2_5: 59.9,51.8 59.9,46.7 58.6,45.4 53.1,45.4 51.9,46.6 51.9,51.3 52.4,51.8
  region net GND: 64.8,39.5 64.8,34.9 66.9,32.8 69.1,32.8 70.1,33.8 70.1,35.9 66.1,39.9 65.2,39.9
  text "avilabs ACp 2.0.16" at 109.8,26.8 h1.52

## Silkscreen, mask and mechanical layers (free items; w line width, h text height)
Top Overlay:
  lines w0.1: 76,25.5 76,75.5 ; 76,40.5 90.7,40.6
  lines w0.254: 22.192,27.024 22.7,25.5 ; 22.192,73.976 22.7,75.5 ; 22.446,25.5 22.954,25.5 ; 22.446,75.5 22.954,75.5 ; 22.7,45.396 22.7,25.5 ; 22.7,55.604 22.7,75.5 ; 23.208,27.024 22.7,25.5 ; 23.208,73.976 22.7,75.5 ; 25.5,22.946 25.5,23.454 ; 25.5,24.546 25.5,25.054 ; 27.024,22.692 25.5,23.2 ; 27.024,23.708 25.5,23.2 ; 27.024,24.292 25.5,24.8 ; 27.024,25.308 25.5,24.8 ; 44.25,24.8 25.5,24.8 ; 57.25,24.8 76,24.8 ; 74.476,24.292 76,24.8 ; 74.476,25.308 76,24.8 ; 76,24.546 76,25.054 ; 78.388,23.2 25.5,23.2 ; 89.612,23.2 142.5,23.2 ; 140.976,22.692 142.5,23.2 ; 140.976,23.708 142.5,23.2 ; 142.5,22.946 142.5,23.454
  text "50 (mm)" at 23.614,45.65 h1.52 r90
  text "50.5 (mm)" at 44.504,23.886 h1.52
  text "117 (mm)" at 78.642,22.286 h1.52

## Text inside footprints (layer, text, board x,y; h text height)
DS1: Top Overlay "K" at 90.77,45.04 h0.76 r90; Mechanical 15 "K" at 90.77,45.04 h0.76 r90
DS2: Top Overlay "K" at 86.77,45.04 h0.76 r90; Mechanical 15 "K" at 86.77,45.04 h0.76 r90
DS3: Top Overlay "K" at 82.77,45.04 h0.76 r90; Mechanical 15 "K" at 82.77,45.04 h0.76 r90
DS4: Top Overlay "K" at 78.77,45.04 h0.76 r90; Mechanical 15 "K" at 78.77,45.04 h0.76 r90
JADT: Top Overlay "1" at 130.2,37.2 h0.5 r90; Top Overlay "2" at 130.2,33.6 h0.5 r90; Top Overlay "3" at 133.7,35.3 h0.5 r90
JS1: Top Overlay "1" at 103.468,55.992 h1.27; Top Overlay "2" at 102.96,58.532 h1.27; Top Overlay "5" at 112.104,55.992 h1.27; Top Overlay "6" at 112.104,58.532 h1.27
RIV1: Top Overlay "CW" at 72.6,28.9 h0.64
RIV2: Top Overlay "CW" at 67.4,42.1 h0.64